# KiCad board s100_ColorMagic-1.1-006.kicad_pcb (continued)
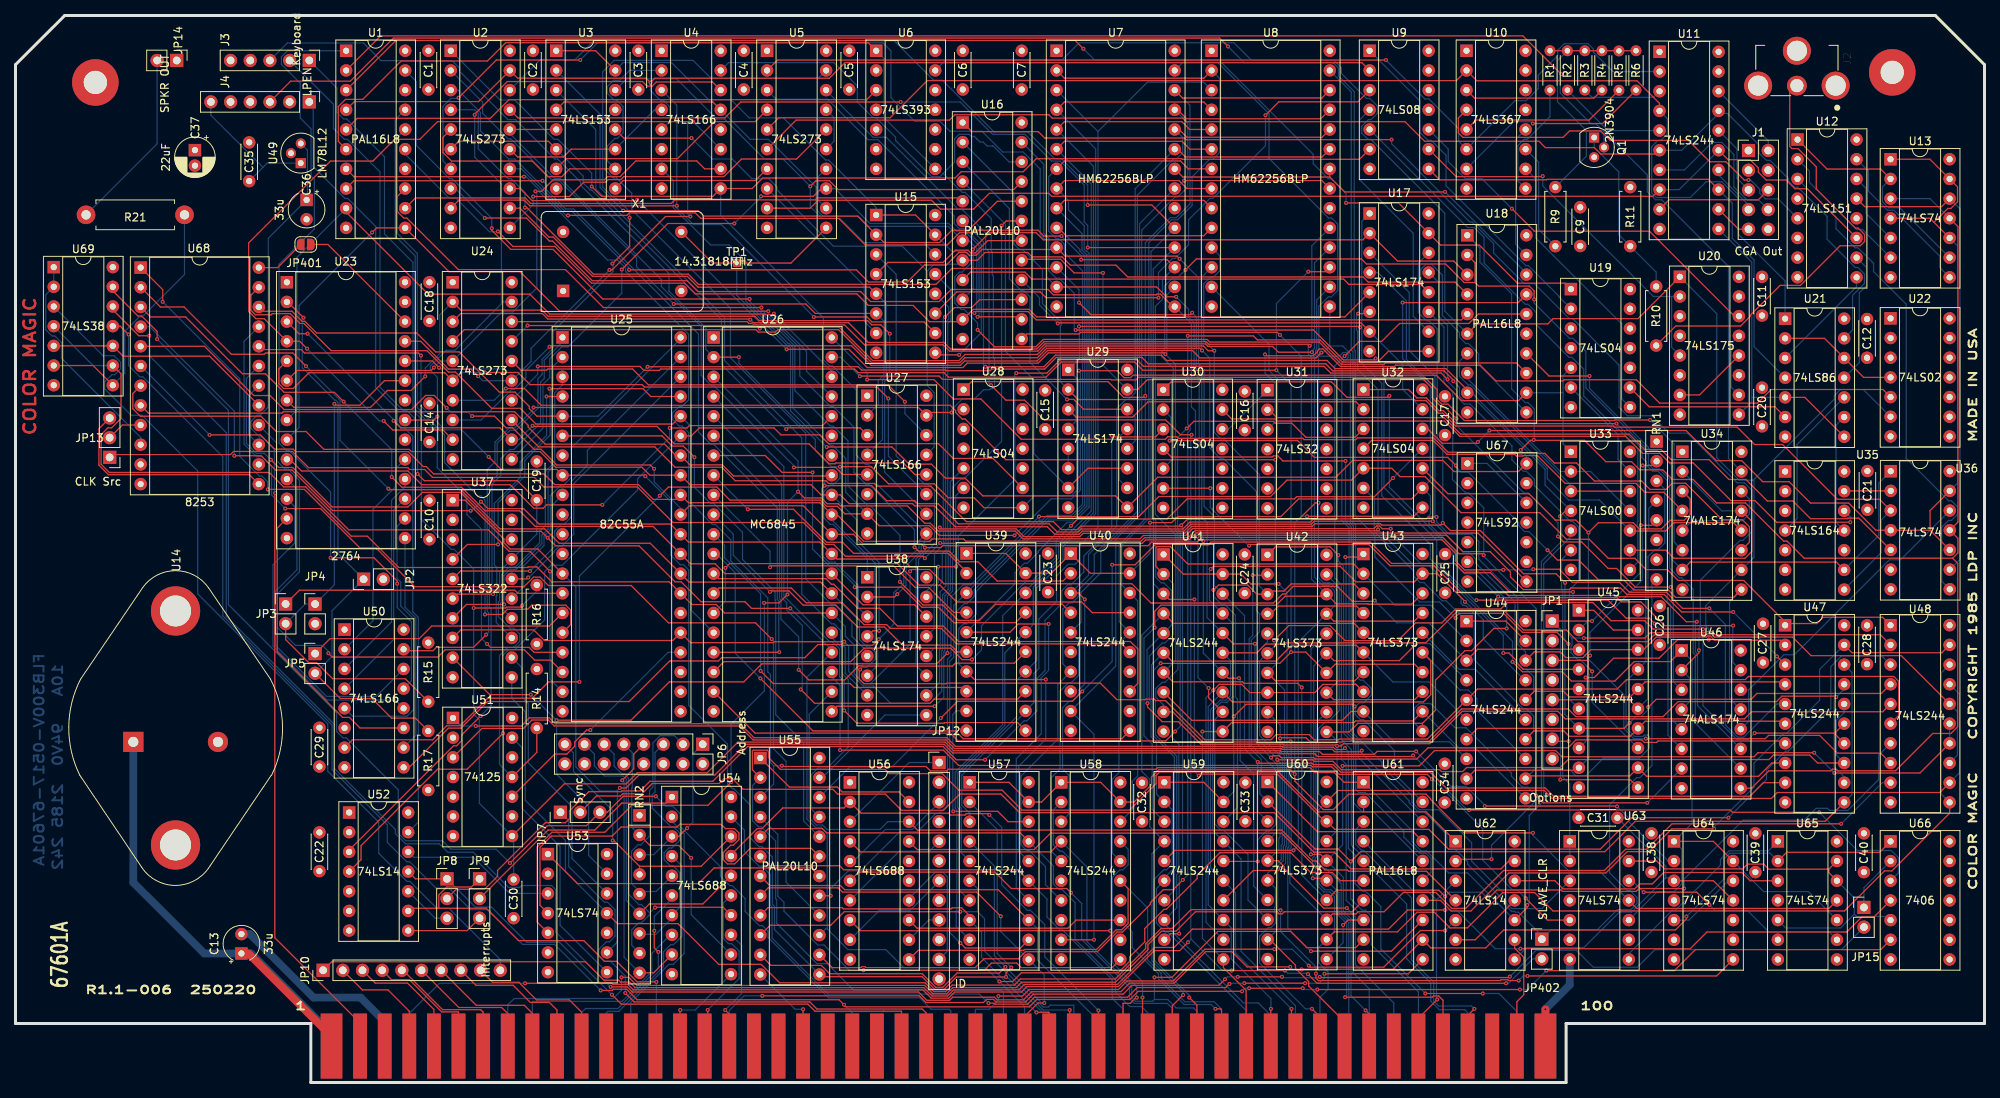
[diagram p0: board, top side]
## Routing (per net, layer and track width the routed paths; a pad name or vN(x,y) marks a point on that pad's centre or on a via; arc(x,y) is an arc through that point) (continued)
/VI5: length 18.3
  Component w0.152: P1.9 66.68,8.93 65.64,9.96 59.44,9.96 54.92,14.48
/VI6: length 19.2
  Component w0.152: P1.10 69.85,9.35 68.87,10.33 66.42,10.33 64.19,12.55 59.39,12.55 JP10.8
/VI7: length 19.6
  Component w0.152: P1.11 73.03,9.07 71.44,10.66 67.21,10.66 64.94,12.93 61.55,12.93 60,14.48
/VSYNC_DLY: length 235.4
  Component w0.152: v1(218.44,57.16) 214.43,57.16 212.03,54.76 206.16,54.76 203.66,52.26 v1(202.54,52.26) ; U18.6 188.55,97.91 197.68,97.91 198.35,98.59 209.31,98.59 U20.1
  Copper w0.152: 224.17,77.74 224.26,77.65 224.26,67.77 U34.10 218.04,61.55 218.04,58.92 218.44,58.52 v1(218.44,57.16) ; 224.17,77.74 234.63,88.2 234.63,88.63 235.44,89.44 238.36,89.44 U22.6 ; 224.17,77.74 222.34,77.74 219.46,80.62 219.46,99.22 U20.1 ; U6.13 120.01,131.98 135.02,131.98 137.21,134.18 157.18,134.18 159.46,131.9 170.08,131.9 171.04,130.94 171.04,130.23 174.26,127.01 174.69,127.01 175.69,126.01 175.69,125.08 174.87,124.27 174.53,124.27 173.67,123.41 173.67,122.53 174.47,121.72 174.83,121.72 184.38,112.18 184.38,99.54 U18.6 ; U45.8 202.7,44.18 202.7,52.1 v1(202.54,52.26)
/WR: length 278.9
  Component w0.152: U62.10 195.01,22.58 v1(195.01,22.91) ; U68.23 30.37,101.61 30.37,99.66 30.94,99.08 32.99,99.08 33.14,99.23 35.44,99.23 36.7,97.96 37.2,97.96 40.72,94.45 53.08,94.45 55.85,91.68 56.75,91.68 61.42,87.01 65.11,87.01 67.14,84.98 84.78,84.98 U25.36 ; U61.1 171.38,38.75 170.13,40 167.65,40 167.01,40.64 147.36,40.64 147.15,40.43 120.34,40.43 120.13,40.22 118.02,40.22 117.45,40.78 98.96,40.78 v1(98.86,40.88)
  Copper w0.152: U62.10 187.31,27.05 184.88,27.05 182.05,29.88 181.35,29.88 180.16,31.06 180.16,32.49 U61.1 ; v1(98.86,40.88) 98.85,40.87 97.8,40.87 ; 97.8,40.87 97.8,38.52 U55.3 ; 97.8,40.87 97.39,41.29 97.39,52.65 97.04,52.99 97.04,62.55 92.27,67.32 92.27,70.04 90.28,72.03 89.91,72.03 87.12,74.81 87.12,84.68 U25.36 ; U33.5 200.65,70.46 197.14,66.96 197.14,36.33 195.27,34.46 195.27,23.17 v1(195.01,22.91)
A0: length 236.9
  Component w0.152: U61.6 170.92,26.05 169.87,27.1 167.07,27.1 164.51,29.66 155.37,29.66 152.44,26.73 152.44,26.33 148.45,22.34 148.15,22.34 145.67,19.87 145.67,18.16 143.72,16.21 143.72,15.64 142.24,14.16 129.75,14.16 128.63,13.03 v1(126.92,13.03) ; v1(32.94,80.37) 33.94,79.37 35.75,79.37 40.85,74.28 50.62,74.28 52.5,76.16 57.39,76.16 62.43,71.12 67.82,71.12 v1(68.63,70.31) 69.68,69.27 80.43,69.27 85.08,64.62 85.86,64.62 88.43,62.05 94.1,62.05 94.96,61.19 v1(99.94,61.19)
  Copper w0.152: P1.79 130.18,9.78 v1(126.92,13.03) 125.16,14.8 114.62,14.8 112.27,17.15 107.37,17.15 104.71,19.82 ; v1(32.94,80.37) 32.11,81.2 31.07,81.2 29.78,82.49 29.78,90.87 U68.19 ; v1(99.94,61.19) 105.3,55.83 U26.24 102.1,52.31 102.1,34.01 103.17,32.94 103.96,32.94 104.71,32.19 104.71,19.82 ; U25.9 69.27,74.54 69.27,70.94 v1(68.63,70.31) ; 104.71,19.82 104.5,19.82 U55.15
A1: length 197.2
  Component w0.152: v1(81.25,78.25) 81.12,78.38 U25.8 69.81,79.12 62.66,79.12 v1(61.04,80.74) ; U55.13 103.98,13.66 116.94,13.66 118.59,12.01 119.77,12.01 121.38,13.62 v1(127.78,13.62) 127.78,14.16 v1(128.46,14.84) ; v1(52.3,93.82) 51.97,94.15 37.29,94.15 36.85,94.59 31.8,94.59 U68.20
  Copper w0.152: v1(81.25,78.25) 84.54,74.96 84.54,68.05 85.77,66.82 86.18,66.82 86.84,66.16 86.84,48.68 91.85,43.67 91.85,38.57 92.53,37.89 92.7,37.89 94.79,35.79 94.79,31.56 95.92,30.43 96.3,30.43 97.63,29.1 97.63,23.02 97.91,22.74 97.91,19.73 U55.13 ; P1.80 133.35,9 133.27,9.08 132.45,9.08 127.91,13.62 v1(127.78,13.62) ; 123.08,36.2 126.64,32.64 126.64,16.66 v1(128.46,14.84) ; v1(61.04,80.74) 57.55,84.23 55.4,84.23 52.3,87.33 v1(52.3,93.82)
A2: length 69.1
  Component w0.152: U55.11 97.45,15.11 103.95,15.11 105.02,14.04 116.96,14.04 118.7,12.29 119.63,12.29 121.46,14.13 126.9,14.13 v1(127.7,14.93)
  Copper w0.152: P1.81 136.53,9.99 133.48,9.99 133.23,9.74 132.58,9.74 132.25,10.07 132.25,10.37 v1(127.7,14.93) 126.27,16.35 126.27,27.93 U57.4
A3: length 58.2
  Component w0.152: P1.31 136,5.23 v1(136,9.35) ; v1(121.86,22.04) 106.91,22.04 105.15,20.29 97.35,20.29 U55.10
  Copper w0.152: 124.11,22.05 v1(121.87,22.05) ; 124.11,22.05 124.11,25.02 123.08,26.04 ; 124.11,22.05 125.01,21.14 125.01,16.96 127.63,14.34 127.71,14.34 131.97,10.08 131.97,9.95 132.57,9.35 v1(136,9.35)
A4: length 50
  Component w0.152: v1(131.7,9.06) 133.3,9.06 133.35,9 P1.30 ; U55.9 97.09,22.57 106.64,22.57 106.79,22.41 120.7,22.41 120.83,22.54 122.06,22.54 123.08,21.52 U57.8
  Copper w0.152: U57.8 124.62,19.42 124.62,16.13 131.69,9.06 v1(131.7,9.06)
A5: length 57.6
  Component w0.152: 130.18,8.69 P1.29 130.18,8.53 131.9,10.26 v1(132.71,10.26) ; U55.8 97.1,25.12 106.13,25.12 106.68,24.57 123.98,24.57 v1(127.1,21.46)
  Copper w0.152: v1(127.1,21.46) 127.1,19.48 132.71,13.87 v1(132.71,10.26)
A6: length 57
  Component w0.152: U57.13 126.78,24.88 106.97,24.88 106.42,25.42 97.3,25.42 U55.7
  Copper w0.152: U57.13 131.85,19.81 131.85,15.8 139.7,7.95 P1.82
A7: length 62.5
  Component w0.152: 130.7,26.04 129.29,27.45 106.83,27.45 106.31,27.97 97.29,27.97 U55.6
  Copper w0.152: 130.7,26.04 133.05,23.69 133.05,21.37 134.73,19.69 135.08,19.69 141.47,13.3 141.47,10.88 141.47,10.88 142.88,9.47 P1.83
A8: length 69.6
  Component w0.152: U55.5 97.12,32.76 104.08,32.76 104.62,32.22 129.6,32.22 U57.17
  Copper w0.152: P1.84 146.05,9 145.25,9.8 143.74,9.8 141.89,11.65 141.89,13.27 136.68,18.48 136.68,23.22 135.01,24.9 134.62,24.9 133.89,25.62 133.89,27.93 U57.17
A9: length 73.6
  Component w0.152: P1.34 145.39,5.36 v1(145.39,10.97) ; v1(109.39,14.5) 124.99,14.5 125.9,15.41 129.16,15.41 129.74,14.83 141.47,14.83 142.52,15.88
  Copper w0.152: U55.4 98.34,32 98.34,24.04 99.13,23.25 99.13,22.11 103.49,17.75 104.29,17.75 107.55,14.5 v1(109.39,14.5) ; 142.52,15.88 145.39,13.01 v1(145.39,10.97)
A10: length 52.2
  Component w0.152: U56.13 116.31,19.91 135.77,19.91 136.81,20.96 U58.13 ; v1(154.8,9.5) 155.45,9.5 155.58,9.38 P1.37
  Copper w0.152: v1(154.8,9.5) 154.24,10.06 150.75,10.06 147.45,13.37 147.45,14.03 144.06,17.42 144.06,19.42 U58.13
A11: length 65.1
  Component w0.152: 142.52,26.04 143.53,25.03 143.53,20.53 142.7,19.71 141.99,19.71 139.45,17.17 130.17,17.17 130.06,17.06 116.44,17.06 115.27,15.88
  Copper w0.152: P1.87 155.58,9.47 154.63,10.42 150.84,10.42 147.79,13.46 147.79,14.08 146.04,15.83 146.04,22.52 142.52,26.04
A12: length 65
  Component w0.152: P1.33 142.88,10.22 143.81,10.22 144.54,10.95 v1(144.64,10.95) ; v1(141.22,19.59) 109.01,19.59 U56.8
  Copper w0.152: v1(144.64,10.95) 144.64,12.33 141.5,15.48 141.5,19.59 ; 141.5,19.59 141.5,26.48 142.46,27.44 142.86,27.44 143.53,28.11 143.53,30.11 U58.17 ; 141.5,19.59 v1(141.22,19.59)
A13: length 71
  Component w0.152: 107.65,26.04 108.76,27.15 126.34,27.15 128.46,25.03 135.6,25.03 v1(136.14,24.5)
  Copper w0.152: P1.85 149.23,9.57 148.59,10.21 144.34,10.21 143.71,10.84 143.71,12.3 137.54,18.46 137.54,23.1 v1(136.14,24.5) 136.14,28.77 135.06,29.85 134.7,29.85 133.87,30.68 133.87,35.17 134.9,36.2
A14: length 99.7
  Component w0.152: v1(146.92,13.57) 149.17,13.57 155.1,19.5 164.49,19.5 166.58,17.41 172.88,17.41 U61.9 ; U56.4 109,29.77 133.55,29.77 U58.4
  Copper w0.152: U58.4 138.21,27.81 138.21,18.19 143.99,12.41 143.99,10.96 144.45,10.49 146.71,10.49 146.92,10.71 ; P1.86 152.4,9.2 151.98,9.62 149.71,9.62 148.63,10.71 146.92,10.71 ; 146.92,10.71 v1(146.92,13.57)
A15: length 73.1
  Component w0.152: P1.32 v1(139.7,9.3) ; U54.17 92.3,29.38 95.69,32.77 96.3,32.77 98.96,35.43 106.88,35.43 107.65,36.2 109.09,34.76 120.38,34.76 120.62,34.52 122.48,34.52 122.65,34.7 125.46,34.7 v1(125.63,34.53)
  Copper w0.152: v1(125.63,34.53) 127.22,32.94 127.22,25.51 130.5,22.23 130.92,22.23 132.77,20.37 132.77,16.22 v1(139.7,9.3)
A16: length 22.8
  Component w0.152: P1.16 89.3,5.09 v1(89.3,9.36)
  Copper w0.152: v1(89.3,9.36) 93.35,13.41 93.35,16.96 92.39,17.92 91.98,17.92 91.29,18.6 91.29,23.13 U54.15
A17: length 16
  Component w0.152: v1(91.55,9.35) 92.08,8.82 P1.17
  Copper w0.152: U54.13 93.67,17.69 93.67,11.48 v1(91.55,9.35)
A18: length 13.1
  Component w0.152: P1.15 85.72,9.34 v1(85.75,9.35)
  Copper w0.152: U54.11 87.68,9.35 v1(85.75,9.35)
A19: length 28.7
  Copper w0.152: U54.8 84.48,19.06 82.07,16.65 82.07,14.31 78.23,10.47 66.76,10.47 66.68,10.38 P1.59
A20: length 27.2
  Component w0.152: v1(82.93,16.85) 82.4,17.39 v1(82.4,19.58)
  Copper w0.152: P1.61 73.03,9.03 73.54,9.55 77.71,9.55 82.93,14.77 v1(82.93,16.85) ; v1(82.4,19.58) 82.4,21.44 84.68,23.71 U54.6
A21: length 30.1
  Copper w0.152: P1.62 76.2,8.96 76.42,9.18 77.82,9.18 83.59,14.96 83.59,16.86 84.52,17.79 84.88,17.79 85.97,18.88 85.97,27.93 U54.4
A22: length 33.4
  Copper w0.152: U54.2 84.68,33.7 86.26,32.13 86.26,16.65 84.85,15.25 84.28,15.25 79.38,10.34 P1.63
A23: length 52.3
  Component w0.152: v1(82.67,12.99) 80.18,12.99 77.54,15.64 75.99,15.64 73.31,18.31 64.89,18.31 60.72,22.49 54.6,22.49 ; JP9.1 58.8,25.23 55.63,25.23 54.6,24.2 54.6,22.49 ; 54.6,22.49 51,22.49 U52.9
  Copper w0.152: v1(82.67,12.99) 82.67,4.82 P1.64
ALPHA_DOTS: length 73.2
  Component w0.152: U1.12 51.6,114.16 65.74,114.16 66.46,113.45 84.6,113.45 85.06,113.91 103.18,113.91 103.44,114.17 121.75,114.17 U16.5
AT0: length 83.9
  Component w0.152: U15.6 103.17,99.25 101.95,100.48 v1(84.91,100.48)
  Copper w0.152: U2.2 60.25,126.51 60.25,125.09 63.57,121.77 63.9,121.77 69.29,116.38 70.17,116.38 80.12,106.43 80.12,105.27 v1(84.91,100.48) ; U15.6 112.03,98.25 112.03,91.32 111.3,90.59 111.3,87.51 109.88,86.09
AT1: length 48.3
  Component w0.152: 77.37,117.92 71.48,117.92 70.47,116.91 68.68,116.91 66.66,118.92 56.25,118.92 55.14,120.03 55.14,121.99 U2.5
  Copper w0.152: 77.37,117.92 76.36,118.92 76.36,120.87 77.35,121.85 77.65,121.85 78.38,122.58 78.38,125.95 77.52,126.81 77.21,126.81 76.33,127.69 76.33,128.52 77.15,129.34 77.94,129.34 79.21,130.62 U4.2
AT2: length 73.9
  Component w0.152: U2.6 57.17,121.47 68.73,121.47 U3.6 ; U27.3 108.94,84.49 99.6,84.49 v1(99.43,84.32)
  Copper w0.152: v1(99.43,84.32) 91.07,92.68 91.07,98.47 74.36,115.17 74.14,115.17 73.23,116.08 73.23,116.97 U3.6
AT3: length 85.9
  Component w0.152: v1(102.98,98.8) 109.84,98.8 110.48,98.16 117.2,98.16 U15.10 ; v1(85.31,113.14) 66.35,113.14 65.62,113.87 57.19,113.87 U2.9
  Copper w0.152: v1(102.98,98.8) 91.06,110.72 87.44,110.72 85.31,112.85 v1(85.31,113.14) 85.31,126.12 U4.3
AT4: length 74.2
  Component w0.152: U2.12 65.09,112.84 68.81,109.11 69.36,109.11 74.43,104.04 86.66,104.04 88.06,102.64 110.18,102.64 U15.5
  Copper w0.152: 109.88,81.01 111.84,82.97 111.84,90.73 112.32,91.21 112.32,100.5 U15.5
AT5: length 22.5
  Component w0.152: 77.37,120.45 71.68,120.45 70.67,119.45 64.78,119.45 U2.15
  Copper w0.152: 77.37,120.45 82.45,125.53 U4.4
AT6: length 75.2
  Component w0.152: U27.5 106.71,78.47 105.79,79.39 v1(100.41,79.39) ; U3.5 U2.16
  Copper w0.152: v1(100.41,79.39) 100.41,79.61 90.11,89.9 89.81,89.9 88.45,91.27 88.45,97.59 83.32,102.72 83.32,103.63 70.28,116.66 69.57,116.66 63.77,122.46 U2.16
AT7: length 144
  Component w0.152: U1.4 43.71,126.6 59.75,126.6 U2.19 64.78,129.61 81.35,129.61 v1(81.91,129.05) 82.47,129.61 104.99,129.61 107,131.62 173.67,131.62 U9.2
  Copper w0.152: v1(81.91,129.05) 81.91,128.04 83.28,126.68 83.63,126.68 84.41,125.9 84.41,124.05 U4.5
ATCLK: length 46.7
  Component w0.152: U5.16 100.76,119.19 93.66,119.19 91.39,116.91 78.47,116.91 78.08,116.52 76.45,116.52 76.12,116.19 73.3,116.19 71.45,114.34 v1(66.78,114.34)
  Copper w0.152: v1(66.78,114.34) 66.78,113.3 U2.11
B: length 149.9
  Component w0.152: U11.15 220.91,119.11 223.76,119.11 224.83,118.03 224.83,117.48 225.84,116.47 228.42,116.47 229.54,115.34 231.15,115.34 U12.11 ; U5.9 102.52,112.84 103.54,113.86 118.17,113.86 119.31,112.72 123.59,112.72 125.63,114.76 133.28,114.76 133.67,114.37 211.21,114.37 U11.8
  Copper w0.152: U11.15 214.62,115.23 U11.8
B_HSYNC_OUT: length 15.1
  Component w0.152: U11.9 213.31,113.93 224.83,113.93 J1.6
B_OUT: length 4.9
  Component w0.152: U11.12 222.28,110.12 J1.9
B_VSYNC_OUT: length 21.5
  Copper w0.152: U11.7 215.29,117.78 218.84,121.32 220.11,121.32 221.67,119.77 221.67,115.59 223.39,113.87 224.89,113.87 J1.8
BACKGROUND_I: length 48.7
  Copper w0.152: U38.12 118.93,56.47 118.93,63.96 119.55,64.59 119.55,68.23 120.03,68.71 120.03,69.94 119.97,70 119.97,98.11 120.38,98.52 120.38,100.06 U15.12
BLINK: length 70.5
  Component w0.152: U1.5 44.09,124.43 61.25,124.43 63.66,126.85 109.8,126.85 U6.3
BUS8V: length 69.1
  Component w0.152: 40.77,5.94 P1.1 ; C13.1 30.05,16.66
  Component w1: 30.05,16.66 40.77,5.94
  Copper w1: U14.1 15.2,25.81 24.35,16.66 C13.1 30.4,16.66 40.77,6.28
BUS16V: length 126.1
  Component w0.152: P1.2 44.45,7.68 33.45,18.68 33.45,76.01 v1(33.5,76.07)
  Copper w0.152: U49.3 37.66,120.34 37.66,114.01 C36.1 32.61,108.96 32.61,87.18 31.55,86.12 31.18,86.12 30.37,85.31 30.37,84.44 31.5,83.32 31.8,83.32 33.4,81.72 33.4,76.17 v1(33.5,76.07)
BW: length 61.1
  Component w0.152: U17.7 173.56,98.04 134.52,98.04 v1(134.45,97.96)
  Copper w0.152: U32.13 178.94,89.45 178.94,92.65 U17.7 ; v1(134.45,97.96) 132.09,100.32 132.09,101.28 U16.16
C0: length 145.4
  Component w0.152: v1(87.2,121.88) 78.49,121.88 77.37,123 ; U18.4 185.7,103.3 174.5,103.3 173.83,103.97 143.47,103.97 141.96,105.48 136.08,105.48 135.01,106.55 131.15,106.55 130.58,107.12 125.08,107.12 124.07,106.11 U16.8
  Copper w0.152: 117.5,81.01 118.51,82.02 118.51,89.05 117.6,89.95 117.6,104.72 ; v1(87.2,121.88) 89.9,119.19 92.45,119.19 94.99,116.64 97.16,116.64 98.22,115.58 98.22,115.21 105.49,107.94 114.38,107.94 117.6,104.72 ; U16.8 121.67,105.61 118.49,105.61 117.6,104.72
C1: length 137.1
  Component w0.152: U18.5 186.52,98.42 131.68,98.42 130.61,99.5 123.89,99.5 v1(123.7,99.3) ; U3.4 70.76,126.55 89.96,126.55 U4.13
  Copper w0.152: v1(123.7,99.3) 124,99.61 124,107.65 122.99,108.66 U16.7 120.34,110.49 110.04,110.49 108.75,111.78 104.18,111.78 103.27,112.69 103.27,115.57 97.12,121.72 94.78,121.72 U4.13
CC0: length 114.8
  Component w0.152: v1(112.78,96.64) 111.63,97.79 110.45,97.79 109.9,98.33 95.93,98.33 95.38,98.89 68.71,98.89 67.92,99.68 57.45,99.68 U24.2 ; U23.7 35.91,87.13 45.79,87.13 47.97,89.31 51.03,89.31 v1(52.86,91.14)
  Copper w0.152: v1(52.86,91.14) 52.86,92.2 54.74,94.08 54.74,99.08 U24.2 ; v1(112.78,96.64) 112.78,91.16 112.12,90.49 112.12,78.77 U27.10
CC1: length 75.7
  Component w0.152: U4.10 88.9,117.92 87.88,118.93 80.03,118.93 78,116.91 76.38,116.91 75.97,116.5 69.35,116.5 67.86,115.01 v1(67.07,115.01) ; U23.6 36.32,91.9 53.6,91.9 v1(53.97,92.27)
  Copper w0.152: v1(53.97,92.27) 54.82,93.12 U24.5 62.74,99.47 64.18,99.47 67.25,102.54 67.25,114.83 v1(67.07,115.01)
CC2: length 99.7
  Component w0.152: v1(112.6,88.27) 111.12,89.75 81.14,89.75 80.82,90.07 66.37,90.07 64.81,91.63 v1(60.56,91.63) ; U23.5 33.97,92.08 33.97,90.19 34.58,89.57 35.84,89.57 37.86,91.6 55.38,91.6 U24.6
  Copper w0.152: v1(112.6,88.27) 112.6,80.83 117.5,75.93 ; v1(60.56,91.63) 57.45,91.63 U24.6
CC3: length 110.9
  Component w0.152: v1(37.62,94.7) 36.66,95.66 U23.4 32.08,98.58 31.01,98.58 30.07,99.51 30.07,108.36 40.64,118.92 46.1,118.92 48.91,121.72 52.16,121.72 54.44,124.01 v1(87.42,124.01) ; U24.9 55.14,84.21 48.66,84.21 v1(47.49,85.38)
  Copper w0.152: U4.11 v1(87.42,124.01) ; v1(47.49,85.38) 46.94,85.38 v1(37.62,94.7)
CC4: length 92.3
  Component w0.152: v1(37.68,96.64) 36.56,96.64 U23.3 ; U27.12 116.01,78.47 114.52,79.95 105.83,79.95 105.74,79.86 104.94,79.86 102.36,82.43 84.99,82.43 82.75,84.68 66.79,84.68 v1(66.71,84.76) ; U24.12 62.48,84.49 49.68,84.49 v1(48.77,85.4)
  Copper w0.152: v1(37.68,96.64) 48.77,85.55 v1(48.77,85.4) ; U24.12 64.91,82.96 v1(66.71,84.76)
CC5: length 66.1
  Component w0.152: v1(87.06,111.76) 83.85,111.76 76.95,104.87 v1(76.62,104.87) ; U23.25 52.27,95.66 55.86,92.07 58.76,92.07 v1(59.68,91.15)
  Copper w0.152: v1(59.68,91.15) 60.25,90.58 U24.15 66.5,93.07 66.5,94.75 v1(76.62,104.87) ; v1(87.06,111.76) 86.7,112.12 86.7,123.95 87.24,124.48 89.48,124.48 U4.12
CC6: length 73.1
  Component w0.152: v1(54.63,92.25) 54.63,92.26 53.77,93.12 U23.24 ; U24.16 65.21,91.92 68.5,91.92 68.65,92.08 79.6,92.08 81.65,90.04 112.55,90.04 v1(114.73,87.86)
  Copper w0.152: v1(54.63,92.25) 54.79,92.09 62.99,92.09 U24.16 ; v1(114.73,87.86) 114.73,86.32 U27.14
CC7: length 85.4
  Component w0.152: U23.21 53.97,85.5 v1(54.42,85.95) ; U4.14 89.92,129.13 82.66,129.13 82.13,128.59 81.47,128.59 80.88,129.18 63.44,129.18 59.23,124.97 v1(59.23,124.89)
  Copper w0.152: v1(54.42,85.95) 54.42,91 53.51,91.92 53.51,92.46 55.54,94.49 56.67,94.49 62.69,100.51 62.69,100.74 ; 62.69,100.74 62.69,115.98 59.23,119.44 v1(59.23,124.89) ; 62.69,100.74 U24.19
CCLK: length 82.2
  Component w0.152: v1(118.57,48.56) 105.97,48.56 U26.21 ; v1(127.2,110.58) 127.81,111.2 U16.19
  Copper w0.152: v1(118.57,48.56) 119.76,49.75 119.76,55.61 119.88,55.73 119.88,62.8 120.6,63.52 120.6,68.08 121,68.48 121,76.92 121.95,77.87 122.32,77.87 127.2,82.75 v1(127.2,110.58)
CGROM11: length 36.6
  Component w0.152: JP3.1 36.62,63.53 64.41,63.53 64.81,63.14 U25.14
CGROM12: length 34.1
  Component w0.152: U25.15 68.87,58.91 53.7,58.91 52.07,57.28 40.57,57.28 JP5.1
CHG_DOTS: length 104.8
  Component w0.152: v1(49.24,64.37) 49.24,64.73 46.25,67.72 v1(40.65,67.72)
  Copper w0.152: U50.13 51.07,51.84 51.07,59.46 49.24,61.29 v1(49.24,64.37) ; U1.1 35.09,133.16 34.3,132.37 34.3,131.4 36.73,128.98 36.73,124.47 38.12,123.07 38.12,116.97 38.56,116.54 38.56,110.16 34,105.6 34,82.51 34.92,81.59 35.26,81.59 40.65,76.2 v1(40.65,67.72)
CLOCK: length 14.6
  Component w0.152: P1.49 193.68,10.44 194.56,11.32 194.56,16.17 193.4,17.33 193.4,18.42
COLOR_COMPOSITE: length 52.7
  Component w0.152: v1(223.56,116.47) 223,116.47 220.64,118.83 218.55,118.83 215.8,121.59 205.72,121.59 204.5,122.81 200.47,122.81 199.63,121.97 186.72,121.97 186.13,122.57 186.13,124.48 U10.4
  Copper w0.152: U12.5 227.39,114.03 225.77,114.03 225.01,114.79 225.01,115.28 223.82,116.47 v1(223.56,116.47)
COLOR_SEL: length 48
  Component w0.152: U16.15 124.38,101.03 123.35,100.01 121.12,100.01 v1(119.9,98.79)
  Copper w0.152: v1(119.9,98.79) 119.69,98.58 119.69,69.88 119.75,69.82 119.75,69.44 118.55,68.24 118.55,64.46 117.5,63.41 U38.15
COMPOSITE_SYNC: length 36.3
  Copper w0.152: U10.10 196.1,116.61 196.1,109.01 207.2,97.91 207.2,88.22 U19.8
CURSOR: length 127.2
  Component w0.152: U32.3 172.79,83.26 166.47,83.26 164.65,85.08 162.51,85.08 162.26,85.33 152,85.33 v1(151.09,84.41) ; U26.19 95.4,45.09 120.59,45.09 121.6,44.08 148.38,44.08 v1(149.6,45.3)
  Copper w0.152: v1(149.6,45.3) 150.24,45.94 150.24,71.07 149.91,71.4 149.91,83.23 v1(151.09,84.41)
CURSOR_BLINK: length 97.5
  Component w0.152: U6.1 109.98,134.2 63.24,134.2 60.87,131.83 49.75,131.83 44.79,126.88 43.6,126.88 43.59,126.88 42.56,126.88 41.64,125.96 41.64,121.46 U1.6
  Copper w0.152: U6.1 112.04,132.14 112.04,124.52 U6.8
D3IN: length 146.3
  Component w0.152: v1(211.46,59.22) 210.74,59.93 207.76,59.93 205.44,62.25 v1(188.46,62.25) ; v1(175.46,93.44) 175.28,93.26 171.3,93.26 167.45,97.11 v1(136.76,97.11)
  Copper w0.152: v1(188.46,62.25) 188.22,62.25 183.33,67.14 183.33,69.99 176.53,76.79 176.53,92.36 v1(175.46,93.44) ; U16.23 132.66,118.5 132.66,109.56 133.29,108.92 133.29,104.77 134.25,103.82 134.61,103.82 136.58,101.85 136.58,97.29 v1(136.76,97.11) ; U46.6 213.16,44.83 213.16,57.52 v1(211.46,59.22)
DA12: length 117.4
  Component w0.152: U1.13 49.24,114.35 49.24,112.42 50.1,111.56 50.47,111.56 57.12,104.91 70.94,104.91 75.83,100.02 v1(96.21,100.02) ; U40.2 135.14,64.73 126.63,64.73 124.15,67.2 121.8,67.2 120.43,68.58 116.48,68.58 v1(115.97,69.08)
  Copper w0.152: v1(115.97,69.08) 115.97,71.33 110.1,77.2 109.72,77.2 108.15,78.76 108.15,84.58 105.47,87.27 105.1,87.27 101.17,91.19 101.17,94.82 96.21,99.78 v1(96.21,100.02)
DA13: length 132.8
  Component w0.152: v1(94.69,101.12) 75.76,101.12 69.36,107.52 63.9,107.52 61.44,109.98 v1(61.44,110.25) ; v1(114.09,64.61) 117.06,61.64 119.61,61.64 121.61,59.64 124.34,59.64 126.42,61.72 135.04,61.72 U40.4
  Copper w0.152: U1.19 51.73,129.15 51.73,120.91 56,116.64 56.33,116.64 61.44,111.53 v1(61.44,110.25) ; v1(114.09,64.61) 114.09,70.62 110.25,74.46 109.92,74.46 107.39,76.99 107.39,82.81 105.47,84.72 105.1,84.72 100.54,89.29 100.54,95.04 97.12,98.46 97.04,98.46 94.69,100.82 v1(94.69,101.12)
DI0: length 159.5
  Component w0.152: U47.11 233.46,33.71 208.95,33.71 205.03,29.79 173.52,29.79 v1(172.25,28.53) 170.65,30.13 167.65,30.13 U60.2 ; v1(159.6,65.47) 161.41,65.47 U42.2
  Copper w0.152: v1(159.6,65.47) 159.6,57.71 159.14,57.25 159.14,43.28 160.7,41.71 160.7,39.98 160.52,39.79 160.52,37.26 U60.2 ; U47.11 236.91,37.16 236.91,52.93 U47.18 ; v1(172.25,28.53) 172.25,23.7 173.71,22.24 174.13,22.24 174.91,21.46 174.91,17.77 180.98,11.7 P1.95
DI1: length 148.5
  Component w0.152: v1(171.75,22.51) 168.76,22.51 163.67,27.6 163.67,27.84 162.88,28.63 U60.5 ; U47.13 232.46,41.24 231.44,42.26 226.76,42.26 226.18,41.68 200.3,41.68 199.27,40.65 187.19,40.65 186.67,40.13 183.96,40.13 183.72,40.37 171.04,40.37 169.96,41.45 167.53,41.45 167.34,41.65 162.79,41.65 v1(162.77,41.67)
  Copper w0.152: U47.16 235.9,47.74 235.9,47.74 234.89,46.73 234.89,42.24 U47.13 ; 177.8,4.7 177.8,10.26 172.84,15.22 172.84,21.42 v1(171.75,22.51) ; U42.5 161.51,56.86 160.19,55.55 160.19,44.39 162.77,41.81 v1(162.77,41.67) 163.13,41.31 163.13,31.7 162.97,31.54 162.97,30.08 U60.5
DI2: length 153.3
  Component w0.152: 234.68,45.09 v1(224.35,45.09) ; 234.68,45.09 U47.15 ; 234.68,45.09 234.68,45 U47.14 ; v1(167.25,9.5) 168.28,8.47 P1.41 ; v1(217.68,58.51) 211.25,58.51 210.16,59.6 205.81,59.6 203.47,61.95 192.43,61.95 191.6,61.11 185.78,61.11 183.99,59.31 180.61,59.31 178.32,57.03 171.51,57.03 169.56,58.97 164.26,58.97 v1(162.35,57.06)
  Copper w0.152: v1(162.35,57.06) 162.35,56.25 U42.6 160.5,54.4 160.5,44.78 163.42,41.86 163.42,30.76 163.28,30.61 163.28,28.76 161.53,27.01 U60.6 162.53,25.08 162.53,22.67 162.45,22.6 162.45,21.92 162.53,21.84 162.53,20.58 161.96,20 161.62,20 160.49,18.88 160.49,15.42 166.41,9.5 v1(167.25,9.5) ; v1(217.68,58.51) 217.68,48.63 222.03,44.28 223.53,44.28 v1(224.35,45.09)
DI3: length 138.3
  Component w0.152: U60.9 161.79,18.47 165.12,15.14 165.12,14.72 166.82,13.02 166.82,12.47 171.45,7.83 P1.42 ; v1(163.14,44.41) 163.23,44.5 166.48,44.5 167.02,43.95 171.13,43.95 171.21,44.03 182.35,44.03 186.54,48.21 200.29,48.21 201.28,47.22 212.54,47.22 214.47,49.16 227.16,49.16 227.86,49.86 234.75,49.86 v1(234.86,49.74)
  Copper w0.152: U42.9 163.14,46.15 v1(163.14,44.41) 163.14,42.71 163.7,42.15 163.7,30.64 163.56,30.5 163.56,28.65 162.75,27.84 162.75,27.46 162.81,27.39 162.81,22.56 162.74,22.48 162.74,22.03 162.81,21.95 162.81,19.76 U60.9 ; U47.12 235.9,39.45 234.61,40.73 234.61,49.5 v1(234.86,49.74) 235.9,50.78 U47.17
DI4: length 157.8
  Component w0.152: U60.12 170.12,19.45 178.27,19.45 180.8,21.98 183.03,21.98 185.05,19.95 187.29,19.95 191.85,24.52 195.95,24.52 198.33,22.14 235.93,22.14 241.1,27.31 242.05,27.31 249.5,34.76 U48.11
  Copper w0.152: U48.18 248.44,52.88 248.44,37.21 U48.11 ; U42.12 167.76,46.42 167.76,29.85 167.86,29.75 167.86,29.13 167.66,28.94 167.66,26.76 167.81,26.61 167.81,25.55 168.78,24.58 169.53,24.58 170.15,23.97 170.15,19.48 U60.12 168.11,17.43 168.11,15.46 169.33,14.25 169.33,12.04 168.28,10.99 P1.91
DI5: length 152.2
  Component w0.152: v1(167.35,26.36) 168.88,26.36 U60.15 ; U48.16 243.26,55.09 231.62,55.09 229.23,57.49 219.16,57.49 218.75,57.9 218.13,57.9 218,57.77 211.4,57.77 210.53,56.9 201.56,56.9 200.06,58.4 194.52,58.4 192.09,60.83 186,60.83 181.95,56.78 180.85,56.78 178.52,54.45 170.08,54.45 U42.15
  Copper w0.152: U60.15 170.73,24.51 170.73,21.9 172,20.64 172,5.25 P1.92 ; v1(167.35,26.36) 167.35,29.02 167.58,29.25 167.58,29.63 167.46,29.75 167.46,53.74 U42.15 ; U48.16 250.51,47.85 250.51,42.24 U48.13
DI6: length 155.8
  Component w0.152: v1(167.12,29.44) 168.33,29.44 U60.16 ; v1(232.03,42.56) 224.77,42.56 224.26,42.04 199.48,42.04 198.69,42.83 183.05,42.83 181.09,40.86 v1(171.2,40.86) ; U48.14 245.67,39.95 v1(234.64,39.95)
  Copper w0.152: P1.93 174.62,12.09 172.56,14.16 172.56,20.87 171.29,22.14 171.29,26.48 U60.16 171.2,30.68 v1(171.2,40.86) ; v1(232.03,42.56) v1(234.64,39.95) ; v1(167.12,29.44) 167.12,55.94 U42.16 ; U48.15 U48.14
DI7: length 162.6
  Component w0.152: U48.12 248.23,37.43 227.28,37.43 226.51,36.66 198.24,36.66 197.21,37.69 170.58,37.69 U60.19 ; P1.43 174.62,8.84 v1(174.16,9.31)
  Copper w0.152: U48.12 250.79,39.98 250.79,50.11 U48.17 ; U42.19 170.76,63.93 170.76,47.98 169.3,46.52 168.92,46.52 168.09,45.69 168.09,37.3 U60.19 168.14,35.24 168.14,28.21 168.74,27.61 169.07,27.61 171.01,25.66 171.01,22.02 172.28,20.75 172.28,11.19 v1(174.16,9.31)
DISPEN: length 107.7
  Component w0.152: v1(123.39,54.59) 123.37,54.57 122.12,54.57 120.64,56.05 109.46,56.05 107.73,54.32 91.41,54.32 U26.18 ; v1(136.16,71.85) 137.03,72.72 148.54,72.72 151.14,75.32 164.97,75.32 165.25,75.6 175.29,75.6 v1(177.7,78.01)
  Copper w0.152: v1(177.7,78.01) 177.7,78.01 U32.11 ; v1(136.16,71.85) 134.24,69.94 134.24,67.81 131.11,64.67 130.34,64.67 124.61,58.94 124.61,55.81 v1(123.39,54.59)
DO0: length 116.6
  Component w0.152: U43.2 172.62,66.93 151.22,66.93 148.99,69.16 147.22,69.16 147.09,69.04 147.09,66.62 U41.2 ; v1(151.42,10.96) 152.4,9.98 P1.36